# Allegro board LED_FIN.brd (continued)
## Placement (name value [footprint] x y rotation side) (continued)
D7155  0603_LED  [0603_SINGLE]  185.25 296 0 top
D7156  0603_LED  [0603_SINGLE]  187.25 296 0 top
D7157  0603_LED  [0603_SINGLE]  189.25 296 0 top
D7158  0603_LED  [0603_SINGLE]  191.25 296 0 top
D7159  0603_LED  [0603_SINGLE]  193.25 296 0 top
D7160  0603_LED  [0603_SINGLE]  195.25 296 0 top
D7161  0603_LED  [0603_SINGLE]  197.25 296 0 top
D7162  0603_LED  [0603_SINGLE]  199.25 296 0 top
D7163  0603_LED  [0603_SINGLE]  201.25 296 0 top
D7164  0603_LED  [0603_SINGLE]  203.25 296 0 top
D7165  0603_LED  [0603_SINGLE]  205.25 296 0 top
D7166  0603_LED  [0603_SINGLE]  207.25 296 0 top
D7167  0603_LED  [0603_SINGLE]  209.25 296 0 top
D7168  0603_LED  [0603_SINGLE]  211.25 296 0 top
D7169  0603_LED  [0603_SINGLE]  213.25 296 0 top
D7170  0603_LED  [0603_SINGLE]  215.25 296 0 top
D7171  0603_LED  [0603_SINGLE]  157.25 294 0 top
D7172  0603_LED  [0603_SINGLE]  159.25 294 0 top
D7173  0603_LED  [0603_SINGLE]  161.25 294 0 top
D7174  0603_LED  [0603_SINGLE]  163.25 294 0 top
D7175  0603_LED  [0603_SINGLE]  165.25 294 0 top
D7176  0603_LED  [0603_SINGLE]  167.25 294 0 top
D7177  0603_LED  [0603_SINGLE]  169.25 294 0 top
D7178  0603_LED  [0603_SINGLE]  171.25 294 0 top
D7179  0603_LED  [0603_SINGLE]  173.25 294 0 top
D7180  0603_LED  [0603_SINGLE]  175.25 294 0 top
D7181  0603_LED  [0603_SINGLE]  177.25 294 0 top
D7182  0603_LED  [0603_SINGLE]  179.25 294 0 top
D7183  0603_LED  [0603_SINGLE]  181.25 294 0 top
D7184  0603_LED  [0603_SINGLE]  183.25 294 0 top
D7185  0603_LED  [0603_SINGLE]  185.25 294 0 top
D7186  0603_LED  [0603_SINGLE]  187.25 294 0 top
D7187  0603_LED  [0603_SINGLE]  189.25 294 0 top
D7188  0603_LED  [0603_SINGLE]  191.25 294 0 top
D7189  0603_LED  [0603_SINGLE]  193.25 294 0 top
D7190  0603_LED  [0603_SINGLE]  195.25 294 0 top
D7191  0603_LED  [0603_SINGLE]  197.25 294 0 top
D7192  0603_LED  [0603_SINGLE]  199.25 294 0 top
D7193  0603_LED  [0603_SINGLE]  201.25 294 0 top
D7194  0603_LED  [0603_SINGLE]  203.25 294 0 top
D7195  0603_LED  [0603_SINGLE]  205.25 294 0 top
D7196  0603_LED  [0603_SINGLE]  207.25 294 0 top
D7197  0603_LED  [0603_SINGLE]  209.25 294 0 top
D7198  0603_LED  [0603_SINGLE]  211.25 294 0 top
D7199  0603_LED  [0603_SINGLE]  213.25 294 0 top
D7200  0603_LED  [0603_SINGLE]  215.25 294 0 top
D7201  0603_LED  [0603_SINGLE]  157.25 292 0 top
D7202  0603_LED  [0603_SINGLE]  159.25 292 0 top
D7203  0603_LED  [0603_SINGLE]  161.25 292 0 top
D7204  0603_LED  [0603_SINGLE]  163.25 292 0 top
D7205  0603_LED  [0603_SINGLE]  165.25 292 0 top
D7206  0603_LED  [0603_SINGLE]  167.25 292 0 top
D7207  0603_LED  [0603_SINGLE]  169.25 292 0 top
D7208  0603_LED  [0603_SINGLE]  171.25 292 0 top
D7209  0603_LED  [0603_SINGLE]  173.25 292 0 top
D7210  0603_LED  [0603_SINGLE]  175.25 292 0 top
D7211  0603_LED  [0603_SINGLE]  177.25 292 0 top
D7212  0603_LED  [0603_SINGLE]  179.25 292 0 top
D7213  0603_LED  [0603_SINGLE]  181.25 292 0 top
D7214  0603_LED  [0603_SINGLE]  183.25 292 0 top
D7215  0603_LED  [0603_SINGLE]  185.25 292 0 top
D7216  0603_LED  [0603_SINGLE]  187.25 292 0 top
D7217  0603_LED  [0603_SINGLE]  189.25 292 0 top
D7218  0603_LED  [0603_SINGLE]  191.25 292 0 top
D7219  0603_LED  [0603_SINGLE]  193.25 292 0 top
D7220  0603_LED  [0603_SINGLE]  195.25 292 0 top
D7221  0603_LED  [0603_SINGLE]  197.25 292 0 top
D7222  0603_LED  [0603_SINGLE]  199.25 292 0 top
D7223  0603_LED  [0603_SINGLE]  201.25 292 0 top
D7224  0603_LED  [0603_SINGLE]  203.25 292 0 top
D7225  0603_LED  [0603_SINGLE]  205.25 292 0 top
D7226  0603_LED  [0603_SINGLE]  207.25 292 0 top
D7227  0603_LED  [0603_SINGLE]  209.25 292 0 top
D7228  0603_LED  [0603_SINGLE]  211.25 292 0 top
D7229  0603_LED  [0603_SINGLE]  213.25 292 0 top
D7230  0603_LED  [0603_SINGLE]  215.25 292 0 top
D7231  0603_LED  [0603_SINGLE]  157.25 290 0 top
D7232  0603_LED  [0603_SINGLE]  159.25 290 0 top
D7233  0603_LED  [0603_SINGLE]  161.25 290 0 top
D7234  0603_LED  [0603_SINGLE]  163.25 290 0 top
D7235  0603_LED  [0603_SINGLE]  165.25 290 0 top
D7236  0603_LED  [0603_SINGLE]  167.25 290 0 top
D7237  0603_LED  [0603_SINGLE]  169.25 290 0 top
D7238  0603_LED  [0603_SINGLE]  171.25 290 0 top
D7239  0603_LED  [0603_SINGLE]  173.25 290 0 top
D7240  0603_LED  [0603_SINGLE]  175.25 290 0 top
D7241  0603_LED  [0603_SINGLE]  177.25 290 0 top
D7242  0603_LED  [0603_SINGLE]  179.25 290 0 top
D7243  0603_LED  [0603_SINGLE]  181.25 290 0 top
D7244  0603_LED  [0603_SINGLE]  183.25 290 0 top
D7245  0603_LED  [0603_SINGLE]  185.25 290 0 top
D7246  0603_LED  [0603_SINGLE]  187.25 290 0 top
D7247  0603_LED  [0603_SINGLE]  189.25 290 0 top
D7248  0603_LED  [0603_SINGLE]  191.25 290 0 top
D7249  0603_LED  [0603_SINGLE]  193.25 290 0 top
D7250  0603_LED  [0603_SINGLE]  195.25 290 0 top
D7251  0603_LED  [0603_SINGLE]  197.25 290 0 top
D7252  0603_LED  [0603_SINGLE]  199.25 290 0 top
D7253  0603_LED  [0603_SINGLE]  201.25 290 0 top
D7254  0603_LED  [0603_SINGLE]  203.25 290 0 top
D7255  0603_LED  [0603_SINGLE]  205.25 290 0 top
D7256  0603_LED  [0603_SINGLE]  207.25 290 0 top
D7257  0603_LED  [0603_SINGLE]  209.25 290 0 top
D7258  0603_LED  [0603_SINGLE]  211.25 290 0 top
D7259  0603_LED  [0603_SINGLE]  213.25 290 0 top
D7260  0603_LED  [0603_SINGLE]  215.25 290 0 top
D7261  0603_LED  [0603_SINGLE]  157.25 288 0 top
D7262  0603_LED  [0603_SINGLE]  159.25 288 0 top
D7263  0603_LED  [0603_SINGLE]  161.25 288 0 top
D7264  0603_LED  [0603_SINGLE]  163.25 288 0 top
D7265  0603_LED  [0603_SINGLE]  165.25 288 0 top
D7266  0603_LED  [0603_SINGLE]  167.25 288 0 top
D7267  0603_LED  [0603_SINGLE]  169.25 288 0 top
D7268  0603_LED  [0603_SINGLE]  171.25 288 0 top
D7269  0603_LED  [0603_SINGLE]  173.25 288 0 top
D7270  0603_LED  [0603_SINGLE]  175.25 288 0 top
D7271  0603_LED  [0603_SINGLE]  177.25 288 0 top
D7272  0603_LED  [0603_SINGLE]  179.25 288 0 top
D7273  0603_LED  [0603_SINGLE]  181.25 288 0 top
D7274  0603_LED  [0603_SINGLE]  183.25 288 0 top
D7275  0603_LED  [0603_SINGLE]  185.25 288 0 top
D7276  0603_LED  [0603_SINGLE]  187.25 288 0 top
D7277  0603_LED  [0603_SINGLE]  189.25 288 0 top
D7278  0603_LED  [0603_SINGLE]  191.25 288 0 top
D7279  0603_LED  [0603_SINGLE]  193.25 288 0 top
D7280  0603_LED  [0603_SINGLE]  195.25 288 0 top
D7281  0603_LED  [0603_SINGLE]  197.25 288 0 top
D7282  0603_LED  [0603_SINGLE]  199.25 288 0 top
D7283  0603_LED  [0603_SINGLE]  201.25 288 0 top
D7284  0603_LED  [0603_SINGLE]  203.25 288 0 top
D7285  0603_LED  [0603_SINGLE]  205.25 288 0 top
D7286  0603_LED  [0603_SINGLE]  207.25 288 0 top
D7287  0603_LED  [0603_SINGLE]  209.25 288 0 top
D7288  0603_LED  [0603_SINGLE]  211.25 288 0 top
D7289  0603_LED  [0603_SINGLE]  213.25 288 0 top
D7290  0603_LED  [0603_SINGLE]  215.25 288 0 top
D7291  0603_LED  [0603_SINGLE]  157.25 286 0 top
D7292  0603_LED  [0603_SINGLE]  159.25 286 0 top
D7293  0603_LED  [0603_SINGLE]  161.25 286 0 top
D7294  0603_LED  [0603_SINGLE]  163.25 286 0 top
D7295  0603_LED  [0603_SINGLE]  165.25 286 0 top
D7296  0603_LED  [0603_SINGLE]  167.25 286 0 top
D7297  0603_LED  [0603_SINGLE]  169.25 286 0 top
D7298  0603_LED  [0603_SINGLE]  171.25 286 0 top
D7299  0603_LED  [0603_SINGLE]  173.25 286 0 top
D7300  0603_LED  [0603_SINGLE]  175.25 286 0 top
D7301  0603_LED  [0603_SINGLE]  177.25 286 0 top
D7302  0603_LED  [0603_SINGLE]  179.25 286 0 top
D7303  0603_LED  [0603_SINGLE]  181.25 286 0 top
D7304  0603_LED  [0603_SINGLE]  183.25 286 0 top
D7305  0603_LED  [0603_SINGLE]  185.25 286 0 top
D7306  0603_LED  [0603_SINGLE]  187.25 286 0 top
D7307  0603_LED  [0603_SINGLE]  189.25 286 0 top
D7308  0603_LED  [0603_SINGLE]  191.25 286 0 top
D7309  0603_LED  [0603_SINGLE]  193.25 286 0 top
D7310  0603_LED  [0603_SINGLE]  195.25 286 0 top
D7311  0603_LED  [0603_SINGLE]  197.25 286 0 top
D7312  0603_LED  [0603_SINGLE]  199.25 286 0 top
D7313  0603_LED  [0603_SINGLE]  201.25 286 0 top
D7314  0603_LED  [0603_SINGLE]  203.25 286 0 top
D7315  0603_LED  [0603_SINGLE]  205.25 286 0 top
D7316  0603_LED  [0603_SINGLE]  207.25 286 0 top
D7317  0603_LED  [0603_SINGLE]  209.25 286 0 top
D7318  0603_LED  [0603_SINGLE]  211.25 286 0 top
D7319  0603_LED  [0603_SINGLE]  213.25 286 0 top
D7320  0603_LED  [0603_SINGLE]  215.25 286 0 top
D7321  0603_LED  [0603_SINGLE]  157.25 284 0 top
D7322  0603_LED  [0603_SINGLE]  159.25 284 0 top
D7323  0603_LED  [0603_SINGLE]  161.25 284 0 top
D7324  0603_LED  [0603_SINGLE]  163.25 284 0 top
D7325  0603_LED  [0603_SINGLE]  165.25 284 0 top
D7326  0603_LED  [0603_SINGLE]  167.25 284 0 top
D7327  0603_LED  [0603_SINGLE]  169.25 284 0 top
D7328  0603_LED  [0603_SINGLE]  171.25 284 0 top
D7329  0603_LED  [0603_SINGLE]  173.25 284 0 top
D7330  0603_LED  [0603_SINGLE]  175.25 284 0 top
D7331  0603_LED  [0603_SINGLE]  177.25 284 0 top
D7332  0603_LED  [0603_SINGLE]  179.25 284 0 top
D7333  0603_LED  [0603_SINGLE]  181.25 284 0 top
D7334  0603_LED  [0603_SINGLE]  183.25 284 0 top
D7335  0603_LED  [0603_SINGLE]  185.25 284 0 top
D7336  0603_LED  [0603_SINGLE]  187.25 284 0 top
D7337  0603_LED  [0603_SINGLE]  189.25 284 0 top
D7338  0603_LED  [0603_SINGLE]  191.25 284 0 top
D7339  0603_LED  [0603_SINGLE]  193.25 284 0 top
D7340  0603_LED  [0603_SINGLE]  195.25 284 0 top
D7341  0603_LED  [0603_SINGLE]  197.25 284 0 top
D7342  0603_LED  [0603_SINGLE]  199.25 284 0 top
D7343  0603_LED  [0603_SINGLE]  201.25 284 0 top
D7344  0603_LED  [0603_SINGLE]  203.25 284 0 top
D7345  0603_LED  [0603_SINGLE]  205.25 284 0 top
D7346  0603_LED  [0603_SINGLE]  207.25 284 0 top
D7347  0603_LED  [0603_SINGLE]  209.25 284 0 top
D7348  0603_LED  [0603_SINGLE]  211.25 284 0 top
D7349  0603_LED  [0603_SINGLE]  213.25 284 0 top
D7350  0603_LED  [0603_SINGLE]  215.25 284 0 top
D7351  0603_LED  [0603_SINGLE]  157.25 282 0 top
D7352  0603_LED  [0603_SINGLE]  159.25 282 0 top
D7353  0603_LED  [0603_SINGLE]  161.25 282 0 top
D7354  0603_LED  [0603_SINGLE]  163.25 282 0 top
D7355  0603_LED  [0603_SINGLE]  165.25 282 0 top
D7356  0603_LED  [0603_SINGLE]  167.25 282 0 top
D7357  0603_LED  [0603_SINGLE]  169.25 282 0 top
D7358  0603_LED  [0603_SINGLE]  171.25 282 0 top
D7359  0603_LED  [0603_SINGLE]  173.25 282 0 top
D7360  0603_LED  [0603_SINGLE]  175.25 282 0 top
D7361  0603_LED  [0603_SINGLE]  177.25 282 0 top
D7362  0603_LED  [0603_SINGLE]  179.25 282 0 top
D7363  0603_LED  [0603_SINGLE]  181.25 282 0 top
D7364  0603_LED  [0603_SINGLE]  183.25 282 0 top
D7365  0603_LED  [0603_SINGLE]  185.25 282 0 top
D7366  0603_LED  [0603_SINGLE]  187.25 282 0 top
D7367  0603_LED  [0603_SINGLE]  189.25 282 0 top
D7368  0603_LED  [0603_SINGLE]  191.25 282 0 top
D7369  0603_LED  [0603_SINGLE]  193.25 282 0 top
D7370  0603_LED  [0603_SINGLE]  195.25 282 0 top
D7371  0603_LED  [0603_SINGLE]  197.25 282 0 top
D7372  0603_LED  [0603_SINGLE]  199.25 282 0 top
D7373  0603_LED  [0603_SINGLE]  201.25 282 0 top
D7374  0603_LED  [0603_SINGLE]  203.25 282 0 top
D7375  0603_LED  [0603_SINGLE]  205.25 282 0 top
D7376  0603_LED  [0603_SINGLE]  207.25 282 0 top
D7377  0603_LED  [0603_SINGLE]  209.25 282 0 top
D7378  0603_LED  [0603_SINGLE]  211.25 282 0 top
D7379  0603_LED  [0603_SINGLE]  213.25 282 0 top
D7380  0603_LED  [0603_SINGLE]  215.25 282 0 top
D7381  0603_LED  [0603_SINGLE]  157.25 280 0 top
D7382  0603_LED  [0603_SINGLE]  159.25 280 0 top
D7383  0603_LED  [0603_SINGLE]  161.25 280 0 top
D7384  0603_LED  [0603_SINGLE]  163.25 280 0 top
D7385  0603_LED  [0603_SINGLE]  165.25 280 0 top
D7386  0603_LED  [0603_SINGLE]  167.25 280 0 top
D7387  0603_LED  [0603_SINGLE]  169.25 280 0 top
D7388  0603_LED  [0603_SINGLE]  171.25 280 0 top
D7389  0603_LED  [0603_SINGLE]  173.25 280 0 top
D7390  0603_LED  [0603_SINGLE]  175.25 280 0 top
D7391  0603_LED  [0603_SINGLE]  177.25 280 0 top
D7392  0603_LED  [0603_SINGLE]  179.25 280 0 top
D7393  0603_LED  [0603_SINGLE]  181.25 280 0 top
D7394  0603_LED  [0603_SINGLE]  183.25 280 0 top
D7395  0603_LED  [0603_SINGLE]  185.25 280 0 top
D7396  0603_LED  [0603_SINGLE]  187.25 280 0 top
D7397  0603_LED  [0603_SINGLE]  189.25 280 0 top
D7398  0603_LED  [0603_SINGLE]  191.25 280 0 top
D7399  0603_LED  [0603_SINGLE]  193.25 280 0 top
D7400  0603_LED  [0603_SINGLE]  195.25 280 0 top
D7401  0603_LED  [0603_SINGLE]  197.25 280 0 top
D7402  0603_LED  [0603_SINGLE]  199.25 280 0 top
D7403  0603_LED  [0603_SINGLE]  201.25 280 0 top
D7404  0603_LED  [0603_SINGLE]  203.25 280 0 top
D7405  0603_LED  [0603_SINGLE]  205.25 280 0 top
D7406  0603_LED  [0603_SINGLE]  207.25 280 0 top
D7407  0603_LED  [0603_SINGLE]  209.25 280 0 top
D7408  0603_LED  [0603_SINGLE]  211.25 280 0 top
D7409  0603_LED  [0603_SINGLE]  213.25 280 0 top
D7410  0603_LED  [0603_SINGLE]  215.25 280 0 top
D7411  0603_LED  [0603_SINGLE]  157.25 278 0 top
D7412  0603_LED  [0603_SINGLE]  159.25 278 0 top
D7413  0603_LED  [0603_SINGLE]  161.25 278 0 top
D7414  0603_LED  [0603_SINGLE]  163.25 278 0 top
D7415  0603_LED  [0603_SINGLE]  165.25 278 0 top
D7416  0603_LED  [0603_SINGLE]  167.25 278 0 top
D7417  0603_LED  [0603_SINGLE]  169.25 278 0 top
D7418  0603_LED  [0603_SINGLE]  171.25 278 0 top
D7419  0603_LED  [0603_SINGLE]  173.25 278 0 top
D7420  0603_LED  [0603_SINGLE]  175.25 278 0 top
D7421  0603_LED  [0603_SINGLE]  177.25 278 0 top
D7422  0603_LED  [0603_SINGLE]  179.25 278 0 top
D7423  0603_LED  [0603_SINGLE]  181.25 278 0 top
D7424  0603_LED  [0603_SINGLE]  183.25 278 0 top
D7425  0603_LED  [0603_SINGLE]  185.25 278 0 top
D7426  0603_LED  [0603_SINGLE]  187.25 278 0 top
D7427  0603_LED  [0603_SINGLE]  189.25 278 0 top
D7428  0603_LED  [0603_SINGLE]  191.25 278 0 top
D7429  0603_LED  [0603_SINGLE]  193.25 278 0 top
D7430  0603_LED  [0603_SINGLE]  195.25 278 0 top
D7431  0603_LED  [0603_SINGLE]  197.25 278 0 top
D7432  0603_LED  [0603_SINGLE]  199.25 278 0 top
D7433  0603_LED  [0603_SINGLE]  201.25 278 0 top
D7434  0603_LED  [0603_SINGLE]  203.25 278 0 top
D7435  0603_LED  [0603_SINGLE]  205.25 278 0 top
D7436  0603_LED  [0603_SINGLE]  207.25 278 0 top
D7437  0603_LED  [0603_SINGLE]  209.25 278 0 top
D7438  0603_LED  [0603_SINGLE]  211.25 278 0 top
D7439  0603_LED  [0603_SINGLE]  213.25 278 0 top
D7440  0603_LED  [0603_SINGLE]  215.25 278 0 top
D7441  0603_LED  [0603_SINGLE]  157.25 276 0 top
D7442  0603_LED  [0603_SINGLE]  159.25 276 0 top
D7443  0603_LED  [0603_SINGLE]  161.25 276 0 top
D7444  0603_LED  [0603_SINGLE]  163.25 276 0 top
D7445  0603_LED  [0603_SINGLE]  165.25 276 0 top
D7446  0603_LED  [0603_SINGLE]  167.25 276 0 top
D7447  0603_LED  [0603_SINGLE]  169.25 276 0 top
D7448  0603_LED  [0603_SINGLE]  171.25 276 0 top
D7449  0603_LED  [0603_SINGLE]  173.25 276 0 top
D7450  0603_LED  [0603_SINGLE]  175.25 276 0 top
D7451  0603_LED  [0603_SINGLE]  177.25 276 0 top
D7452  0603_LED  [0603_SINGLE]  179.25 276 0 top
D7453  0603_LED  [0603_SINGLE]  181.25 276 0 top
D7454  0603_LED  [0603_SINGLE]  183.25 276 0 top
D7455  0603_LED  [0603_SINGLE]  185.25 276 0 top
D7456  0603_LED  [0603_SINGLE]  187.25 276 0 top
D7457  0603_LED  [0603_SINGLE]  189.25 276 0 top
D7458  0603_LED  [0603_SINGLE]  191.25 276 0 top
D7459  0603_LED  [0603_SINGLE]  193.25 276 0 top
D7460  0603_LED  [0603_SINGLE]  195.25 276 0 top
D7461  0603_LED  [0603_SINGLE]  197.25 276 0 top
D7462  0603_LED  [0603_SINGLE]  199.25 276 0 top
D7463  0603_LED  [0603_SINGLE]  201.25 276 0 top
D7464  0603_LED  [0603_SINGLE]  203.25 276 0 top
D7465  0603_LED  [0603_SINGLE]  205.25 276 0 top
D7466  0603_LED  [0603_SINGLE]  207.25 276 0 top
D7467  0603_LED  [0603_SINGLE]  209.25 276 0 top
D7468  0603_LED  [0603_SINGLE]  211.25 276 0 top
D7469  0603_LED  [0603_SINGLE]  213.25 276 0 top
D7470  0603_LED  [0603_SINGLE]  215.25 276 0 top
D7471  0603_LED  [0603_SINGLE]  157.25 274 0 top
D7472  0603_LED  [0603_SINGLE]  159.25 274 0 top
D7473  0603_LED  [0603_SINGLE]  161.25 274 0 top
D7474  0603_LED  [0603_SINGLE]  163.25 274 0 top
D7475  0603_LED  [0603_SINGLE]  165.25 274 0 top
D7476  0603_LED  [0603_SINGLE]  167.25 274 0 top
D7477  0603_LED  [0603_SINGLE]  169.25 274 0 top
D7478  0603_LED  [0603_SINGLE]  171.25 274 0 top
D7479  0603_LED  [0603_SINGLE]  173.25 274 0 top
D7480  0603_LED  [0603_SINGLE]  175.25 274 0 top
D7481  0603_LED  [0603_SINGLE]  177.25 274 0 top
D7482  0603_LED  [0603_SINGLE]  179.25 274 0 top
D7483  0603_LED  [0603_SINGLE]  181.25 274 0 top
D7484  0603_LED  [0603_SINGLE]  183.25 274 0 top
D7485  0603_LED  [0603_SINGLE]  185.25 274 0 top
D7486  0603_LED  [0603_SINGLE]  187.25 274 0 top
D7487  0603_LED  [0603_SINGLE]  189.25 274 0 top
D7488  0603_LED  [0603_SINGLE]  191.25 274 0 top
D7489  0603_LED  [0603_SINGLE]  193.25 274 0 top
D7490  0603_LED  [0603_SINGLE]  195.25 274 0 top
D7491  0603_LED  [0603_SINGLE]  197.25 274 0 top
D7492  0603_LED  [0603_SINGLE]  199.25 274 0 top
D7493  0603_LED  [0603_SINGLE]  201.25 274 0 top
D7494  0603_LED  [0603_SINGLE]  203.25 274 0 top
D7495  0603_LED  [0603_SINGLE]  205.25 274 0 top
D7496  0603_LED  [0603_SINGLE]  207.25 274 0 top
D7497  0603_LED  [0603_SINGLE]  209.25 274 0 top
D7498  0603_LED  [0603_SINGLE]  211.25 274 0 top
D7499  0603_LED  [0603_SINGLE]  213.25 274 0 top
D7500  0603_LED  [0603_SINGLE]  215.25 274 0 top
D7501  0603_LED  [0603_SINGLE]  157.25 272 0 top
D7502  0603_LED  [0603_SINGLE]  159.25 272 0 top
D7503  0603_LED  [0603_SINGLE]  161.25 272 0 top
D7504  0603_LED  [0603_SINGLE]  163.25 272 0 top
D7505  0603_LED  [0603_SINGLE]  165.25 272 0 top
D7506  0603_LED  [0603_SINGLE]  167.25 272 0 top
D7507  0603_LED  [0603_SINGLE]  169.25 272 0 top
D7508  0603_LED  [0603_SINGLE]  171.25 272 0 top
D7509  0603_LED  [0603_SINGLE]  173.25 272 0 top
D7510  0603_LED  [0603_SINGLE]  175.25 272 0 top
D7511  0603_LED  [0603_SINGLE]  177.25 272 0 top
D7512  0603_LED  [0603_SINGLE]  179.25 272 0 top
D7513  0603_LED  [0603_SINGLE]  181.25 272 0 top
D7514  0603_LED  [0603_SINGLE]  183.25 272 0 top
D7515  0603_LED  [0603_SINGLE]  185.25 272 0 top
D7516  0603_LED  [0603_SINGLE]  187.25 272 0 top
D7517  0603_LED  [0603_SINGLE]  189.25 272 0 top
D7518  0603_LED  [0603_SINGLE]  191.25 272 0 top
D7519  0603_LED  [0603_SINGLE]  193.25 272 0 top
D7520  0603_LED  [0603_SINGLE]  195.25 272 0 top
D7521  0603_LED  [0603_SINGLE]  197.25 272 0 top
D7522  0603_LED  [0603_SINGLE]  199.25 272 0 top
D7523  0603_LED  [0603_SINGLE]  201.25 272 0 top
D7524  0603_LED  [0603_SINGLE]  203.25 272 0 top
D7525  0603_LED  [0603_SINGLE]  205.25 272 0 top
D7526  0603_LED  [0603_SINGLE]  207.25 272 0 top
D7527  0603_LED  [0603_SINGLE]  209.25 272 0 top
D7528  0603_LED  [0603_SINGLE]  211.25 272 0 top
D7529  0603_LED  [0603_SINGLE]  213.25 272 0 top
D7530  0603_LED  [0603_SINGLE]  215.25 272 0 top
D7531  0603_LED  [0603_SINGLE]  157.25 270 0 top
D7532  0603_LED  [0603_SINGLE]  159.25 270 0 top
D7533  0603_LED  [0603_SINGLE]  161.25 270 0 top
D7534  0603_LED  [0603_SINGLE]  163.25 270 0 top
D7535  0603_LED  [0603_SINGLE]  165.25 270 0 top
D7536  0603_LED  [0603_SINGLE]  167.25 270 0 top
D7537  0603_LED  [0603_SINGLE]  169.25 270 0 top
D7538  0603_LED  [0603_SINGLE]  171.25 270 0 top
D7539  0603_LED  [0603_SINGLE]  173.25 270 0 top
D7540  0603_LED  [0603_SINGLE]  175.25 270 0 top
D7541  0603_LED  [0603_SINGLE]  177.25 270 0 top
D7542  0603_LED  [0603_SINGLE]  179.25 270 0 top
D7543  0603_LED  [0603_SINGLE]  181.25 270 0 top
D7544  0603_LED  [0603_SINGLE]  183.25 270 0 top
D7545  0603_LED  [0603_SINGLE]  185.25 270 0 top
D7546  0603_LED  [0603_SINGLE]  187.25 270 0 top
D7547  0603_LED  [0603_SINGLE]  189.25 270 0 top
D7548  0603_LED  [0603_SINGLE]  191.25 270 0 top
D7549  0603_LED  [0603_SINGLE]  193.25 270 0 top
D7550  0603_LED  [0603_SINGLE]  195.25 270 0 top
D7551  0603_LED  [0603_SINGLE]  197.25 270 0 top
D7552  0603_LED  [0603_SINGLE]  199.25 270 0 top
D7553  0603_LED  [0603_SINGLE]  201.25 270 0 top
D7554  0603_LED  [0603_SINGLE]  203.25 270 0 top
D7555  0603_LED  [0603_SINGLE]  205.25 270 0 top
D7556  0603_LED  [0603_SINGLE]  207.25 270 0 top
D7557  0603_LED  [0603_SINGLE]  209.25 270 0 top
D7558  0603_LED  [0603_SINGLE]  211.25 270 0 top
D7559  0603_LED  [0603_SINGLE]  213.25 270 0 top
D7560  0603_LED  [0603_SINGLE]  215.25 270 0 top
D7561  0603_LED  [0603_SINGLE]  157.25 268 0 top
D7562  0603_LED  [0603_SINGLE]  159.25 268 0 top
D7563  0603_LED  [0603_SINGLE]  161.25 268 0 top
D7564  0603_LED  [0603_SINGLE]  163.25 268 0 top
D7565  0603_LED  [0603_SINGLE]  165.25 268 0 top
D7566  0603_LED  [0603_SINGLE]  167.25 268 0 top
D7567  0603_LED  [0603_SINGLE]  169.25 268 0 top
D7568  0603_LED  [0603_SINGLE]  171.25 268 0 top
D7569  0603_LED  [0603_SINGLE]  173.25 268 0 top
D7570  0603_LED  [0603_SINGLE]  175.25 268 0 top
D7571  0603_LED  [0603_SINGLE]  177.25 268 0 top
D7572  0603_LED  [0603_SINGLE]  179.25 268 0 top
D7573  0603_LED  [0603_SINGLE]  181.25 268 0 top
D7574  0603_LED  [0603_SINGLE]  183.25 268 0 top
D7575  0603_LED  [0603_SINGLE]  185.25 268 0 top
D7576  0603_LED  [0603_SINGLE]  187.25 268 0 top
D7577  0603_LED  [0603_SINGLE]  189.25 268 0 top
D7578  0603_LED  [0603_SINGLE]  191.25 268 0 top
D7579  0603_LED  [0603_SINGLE]  193.25 268 0 top
D7580  0603_LED  [0603_SINGLE]  195.25 268 0 top
D7581  0603_LED  [0603_SINGLE]  197.25 268 0 top
D7582  0603_LED  [0603_SINGLE]  199.25 268 0 top
D7583  0603_LED  [0603_SINGLE]  201.25 268 0 top
D7584  0603_LED  [0603_SINGLE]  203.25 268 0 top
D7585  0603_LED  [0603_SINGLE]  205.25 268 0 top
D7586  0603_LED  [0603_SINGLE]  207.25 268 0 top
D7587  0603_LED  [0603_SINGLE]  209.25 268 0 top
D7588  0603_LED  [0603_SINGLE]  211.25 268 0 top
D7589  0603_LED  [0603_SINGLE]  213.25 268 0 top
D7590  0603_LED  [0603_SINGLE]  215.25 268 0 top
D7591  0603_LED  [0603_SINGLE]  157.25 266 0 top
D7592  0603_LED  [0603_SINGLE]  159.25 266 0 top
D7593  0603_LED  [0603_SINGLE]  161.25 266 0 top
D7594  0603_LED  [0603_SINGLE]  163.25 266 0 top
D7595  0603_LED  [0603_SINGLE]  165.25 266 0 top
D7596  0603_LED  [0603_SINGLE]  167.25 266 0 top
D7597  0603_LED  [0603_SINGLE]  169.25 266 0 top
D7598  0603_LED  [0603_SINGLE]  171.25 266 0 top
D7599  0603_LED  [0603_SINGLE]  173.25 266 0 top
D7600  0603_LED  [0603_SINGLE]  175.25 266 0 top
D7601  0603_LED  [0603_SINGLE]  177.25 266 0 top
D7602  0603_LED  [0603_SINGLE]  179.25 266 0 top
D7603  0603_LED  [0603_SINGLE]  181.25 266 0 top
D7604  0603_LED  [0603_SINGLE]  183.25 266 0 top
D7605  0603_LED  [0603_SINGLE]  185.25 266 0 top
D7606  0603_LED  [0603_SINGLE]  187.25 266 0 top
D7607  0603_LED  [0603_SINGLE]  189.25 266 0 top
D7608  0603_LED  [0603_SINGLE]  191.25 266 0 top
D7609  0603_LED  [0603_SINGLE]  193.25 266 0 top
D7610  0603_LED  [0603_SINGLE]  195.25 266 0 top
D7611  0603_LED  [0603_SINGLE]  197.25 266 0 top
D7612  0603_LED  [0603_SINGLE]  199.25 266 0 top
D7613  0603_LED  [0603_SINGLE]  201.25 266 0 top
D7614  0603_LED  [0603_SINGLE]  203.25 266 0 top
D7615  0603_LED  [0603_SINGLE]  205.25 266 0 top
D7616  0603_LED  [0603_SINGLE]  207.25 266 0 top
D7617  0603_LED  [0603_SINGLE]  209.25 266 0 top
D7618  0603_LED  [0603_SINGLE]  211.25 266 0 top
D7619  0603_LED  [0603_SINGLE]  213.25 266 0 top
D7620  0603_LED  [0603_SINGLE]  215.25 266 0 top
D7621  0603_LED  [0603_SINGLE]  157.25 264 0 top
D7622  0603_LED  [0603_SINGLE]  159.25 264 0 top
D7623  0603_LED  [0603_SINGLE]  161.25 264 0 top
D7624  0603_LED  [0603_SINGLE]  163.25 264 0 top
D7625  0603_LED  [0603_SINGLE]  165.25 264 0 top
D7626  0603_LED  [0603_SINGLE]  167.25 264 0 top
D7627  0603_LED  [0603_SINGLE]  169.25 264 0 top
D7628  0603_LED  [0603_SINGLE]  171.25 264 0 top
D7629  0603_LED  [0603_SINGLE]  173.25 264 0 top
D7630  0603_LED  [0603_SINGLE]  175.25 264 0 top
D7631  0603_LED  [0603_SINGLE]  177.25 264 0 top
D7632  0603_LED  [0603_SINGLE]  179.25 264 0 top
D7633  0603_LED  [0603_SINGLE]  181.25 264 0 top
D7634  0603_LED  [0603_SINGLE]  183.25 264 0 top
D7635  0603_LED  [0603_SINGLE]  185.25 264 0 top
D7636  0603_LED  [0603_SINGLE]  187.25 264 0 top
D7637  0603_LED  [0603_SINGLE]  189.25 264 0 top
D7638  0603_LED  [0603_SINGLE]  191.25 264 0 top
D7639  0603_LED  [0603_SINGLE]  193.25 264 0 top
D7640  0603_LED  [0603_SINGLE]  195.25 264 0 top
D7641  0603_LED  [0603_SINGLE]  197.25 264 0 top
D7642  0603_LED  [0603_SINGLE]  199.25 264 0 top
D7643  0603_LED  [0603_SINGLE]  201.25 264 0 top
D7644  0603_LED  [0603_SINGLE]  203.25 264 0 top
D7645  0603_LED  [0603_SINGLE]  205.25 264 0 top
D7646  0603_LED  [0603_SINGLE]  207.25 264 0 top
D7647  0603_LED  [0603_SINGLE]  209.25 264 0 top
D7648  0603_LED  [0603_SINGLE]  211.25 264 0 top
D7649  0603_LED  [0603_SINGLE]  213.25 264 0 top
D7650  0603_LED  [0603_SINGLE]  215.25 264 0 top
D7651  0603_LED  [0603_SINGLE]  157.25 262 0 top
D7652  0603_LED  [0603_SINGLE]  159.25 262 0 top
D7653  0603_LED  [0603_SINGLE]  161.25 262 0 top
D7654  0603_LED  [0603_SINGLE]  163.25 262 0 top
D7655  0603_LED  [0603_SINGLE]  165.25 262 0 top
D7656  0603_LED  [0603_SINGLE]  167.25 262 0 top
D7657  0603_LED  [0603_SINGLE]  169.25 262 0 top
D7658  0603_LED  [0603_SINGLE]  171.25 262 0 top
D7659  0603_LED  [0603_SINGLE]  173.25 262 0 top
D7660  0603_LED  [0603_SINGLE]  175.25 262 0 top
D7661  0603_LED  [0603_SINGLE]  177.25 262 0 top
D7662  0603_LED  [0603_SINGLE]  179.25 262 0 top